# Altium PCB PCB.PcbDoc (part 1 of 2) (continued)
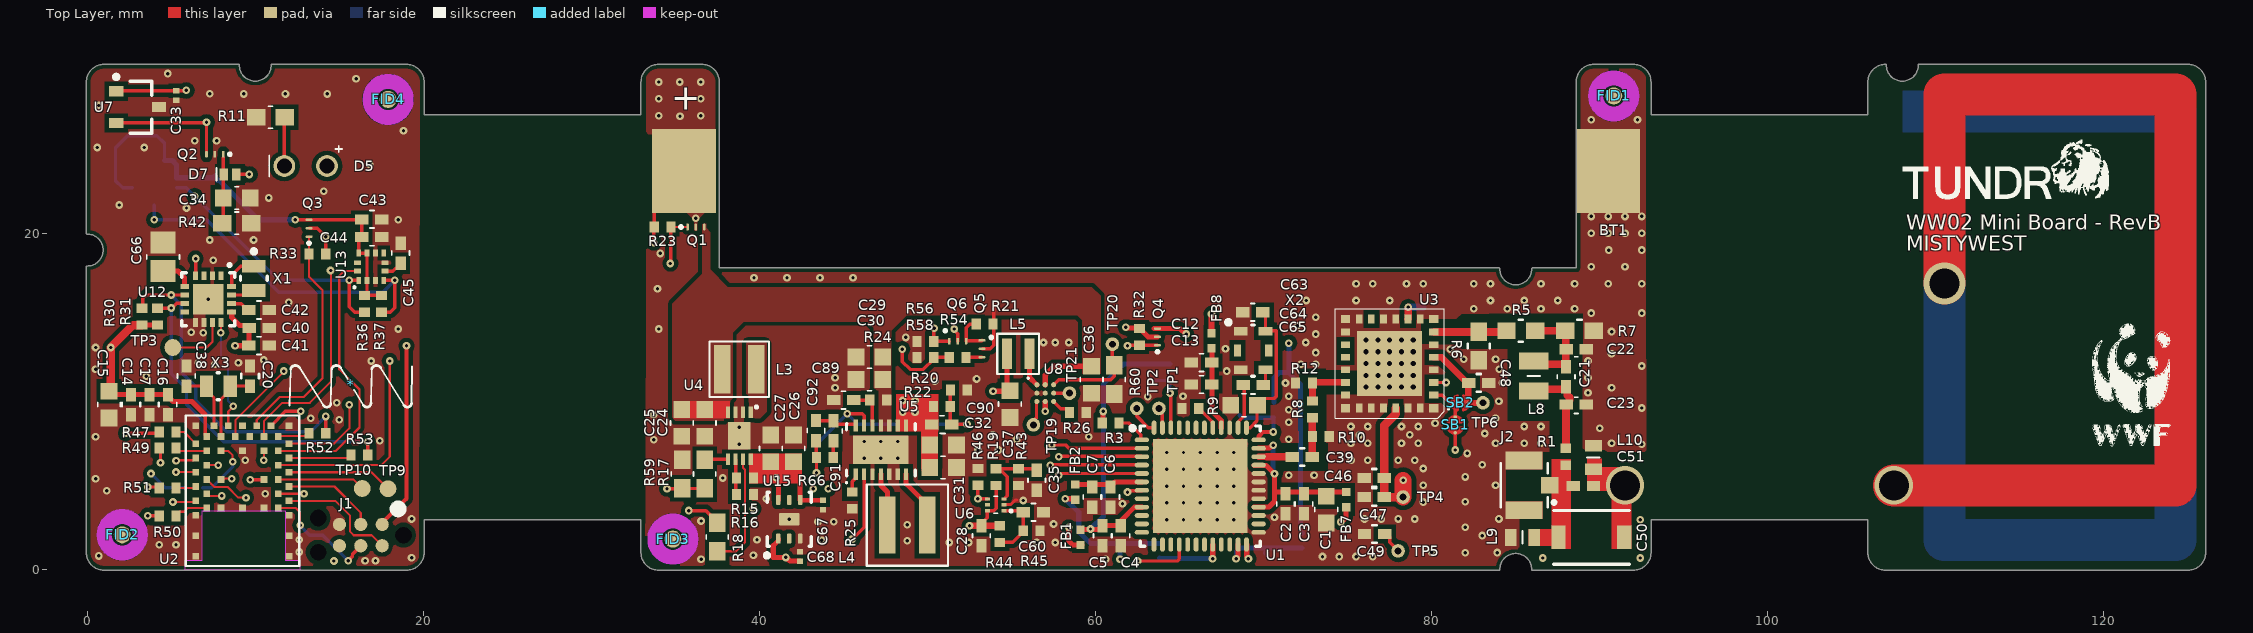
[diagram p0: Top Layer view]
## Components (designator, comment, footprint, x,y, rotation, side; value= is the part's Value field where it differs from the comment) (continued)
FID6 "FID_40mil" Fiducial_40mil 34.925,1.854 r90 bottom
FID7 "FID_40mil" Fiducial_40mil 2.057,2.032 r90 bottom
FID8 "FID_40mil" Fiducial_40mil 17.907,27.965 r90 bottom
J1 "TC2030" "TC2030 - No Clips" 17.551,2.673 r180 top
J2 "CONNECTOR COAX-M 2GND" con_hrs_U_FL-SMT 85.5,5 r270 top
J3 "CONNECTOR COAX-M 2GND" con_hrs_U_FL-SMT 81,15.6 r270 bottom
L3 "2.2uH 1.4A" XFL3012 38.8,11.9 r0 top
L4 "2.2u" XAL4020 48.797,2.63 r0 top
L5 "2.2uH" XPL2010 55.396,12.823 r180 top
L8 "15nH" LQW2BA 86.075,11.51 r270 top
L9 "6.8nH" 0603HP 85.4,1.904 r180 top
L10 "15nH" 0603HP 89.625,6.654 r90 top
Q1 "CSD23285F5T" 3-XFDFN 36.22,20.371 r90 top
Q2 "CSD17585F5T" 3-XFDFN 7.6,24.7 r270 top
Q3 "CSD23285F5T" 3-XFDFN 13.199,20.3 r180 top
Q4 "CSD23285F5T" 3-XFDFN 63.685,13.831 r180 top
Q5 "CSD23285F5T" 3-XFDFN 53.242,13.123 r0 top
Q6 "CSD17585F5T" 3-XFDFN 51.794,13.576 r90 top
R1 "0" RESC0402(1005)_N 87.975,6.7 r270 top
R2 "100k" RESC0402(1005)_N 63,11.2 r180 bottom
R3 "100k" RESC0402(1005)_N 60.9,8.7 r180 top
R5 "5.6" "Chip Res 1608_0603 MMC" 85.3,14.2 r0 top
R6 "910" "Chip Res 1608_0603 MMC" 82.8,13.3 r90 top
R7 "910" "Chip Res 1608_0603 MMC" 88.8,14.2 r180 top
R8 "0" RESC0402(1005)_N 72.9,9.525 r90 top
R9 "33k" RESC0402(1005)_N 65.64,9.564 r0 top
R10 "100k" RESC0402(1005)_N 73.4,7.919 r180 top
R11 "750R" "Chip Res 1608_0603 MMC" 10.9,26.9 r0 top
R12 "100k" RESC0402(1005)_N 72.4,11.1 r0 top
R15 "1M" RESC0402(1005)_N 39.141,5.436 r0 top
R16 "402k" RESC0402(1005)_N 39.141,4.445 r180 top
R17 "0R" "Chip Res 1608_0603 MMC" 36.745,5.663 r90 top
R18 "0R" "Chip Res 1608_0603 MMC" 37.49,1.93 r270 top
R19 "ERT-J0ER104HM" RESC0402(1005)_N 54.085,5.49 r90 top
R20 "1M" RESC0402(1005)_N 51.87,10.668 r180 top
R21 "3.6M" RESC0402(1005)_N 53.4,14.6 r180 top
R22 "1.74M" RESC0402(1005)_N 50.854,9.694 r180 top
R23 "3.6M" RESC0402(1005)_N 34.239,20.371 r180 top
R24 "1.3M" RESC0402(1005)_N 47.07,10.073 r0 top
R25 "32.4k" RESC0402(1005)_N 45.52,4.104 r90 top
R26 "20k" RESC0402(1005)_N 58.944,9.329 r180 top
R30 "4.7k" RESC0402(1005)_N 3.265,15.044 r270 top
R31 "4.7k" RESC0402(1005)_N 4.196,15.04 r270 top
R32 "3.6M" RESC0402(1005)_N 62.618,13.831 r270 top
R33 "3.6M" RESC0402(1005)_N 13.7,18.759 r180 top
R36 "4.7k" RESC0402(1005)_N 16.5,15.8 r90 top
R37 "4.7k" RESC0402(1005)_N 17.5,15.8 r90 top
R42 "4.7M" "Chip Res 1608_0603 MMC" 8.9,20.6 r180 top
R43 "3.3M" RESC0402(1005)_N 55.406,5.492 r90 top
R44 "3.3M" RESC0402(1005)_N 54.3,2.1 r90 top
R45 "3.3M" RESC0402(1005)_N 56.2,2.3 r180 top
R46 "5.1M" RESC0402(1005)_N 53,5.5 r270 top
R47 "0" RESC0402(1005)_N 4.783,8.173 r180 top
R48 "0" RESC0402(1005)_N 6.375,4.851 r180 bottom
R49 "0" RESC0402(1005)_N 4.783,7.233 r180 top
R50 "0" RESC0402(1005)_N 4.783,3.169 r0 top
R51 "0" RESC0402(1005)_N 4.783,4.845 r0 top
R52 "0" RESC0402(1005)_N 13.7,8.1 r0 top
R53 "0" RESC0402(1005)_N 16.2,6.8 r0 top
R54 "1M" RESC0402(1005)_N 51.794,12.613 r0 top
R56 "3.6M" RESC0402(1005)_N 49.872,13.555 r180 top
R58 "1M" RESC0402(1005)_N 49.871,12.613 r0 top
R59 "4.7M" "Chip Res 1608_0603 MMC" 35.409,5.664 r270 top
R60 "4.7M" "Chip Res 1608_0603 MMC" 61.111,11.285 r90 top
R66 "27.4k" RESC0402(1005)_N 43.895,6.657 r0 top
R67 "0402 - DNP" RESC0402(1005)_N 64.43,11.738 r90 bottom
SB1 "Solder Bridge Open - 50mil" Solder_Bridge_Open_50 81.4,8.6 r90 top net-tie
SB2 "Solder Bridge Closed - 50mil" Solder_Bridge_Closed_50 81.7,9.9 r180 top net-tie
TP1 "" Testpoint_16mil_32mil#1 63.769,9.576 r90 top
TP2 "" Testpoint_16mil_32mil#1 62.448,9.576 r90 top
TP3 "" TestPoint_1mm 5.1,13.2 r90 top
TP4 "" Testpoint_16mil_32mil#2 100.688,3.196 r90 top
TP5 "" Testpoint_16mil_32mil#1 78,1.1 r90 top
TP6 "" Testpoint_16mil_32mil#1 83.048,9.911 r90 top
TP9 "" TestPoint_1mm 17.9,4.8 r90 top
TP10 "" TestPoint_1mm 16.368,4.813 r90 top
TP19 "" Testpoint_16mil_32mil#1 56.3,8.6 r90 top
TP20 "" Testpoint_16mil_32mil#1 61,13.4 r90 top
TP21 "" Testpoint_16mil_32mil#1 58.444,10.485 r90 top
U1 "ARTIC" "QFN, 48-Lead" 66.229,4.954 r0 top
U2 "BMD-350-A-R" BMD-350 9.24,5.353 r180 top
U3 "RFFM6404" LGA28C100P8X8_600X600X105 77.498,12.246 r180 top
U4 "LTC3539EDCB#TRPBF" LT-DCB-8_V 38.803,7.953 r270 top
U5 "LTC3533EDE#TRPBF" LT-DE-14_V 47.228,7.11 r90 top
U6 "TLV3691IDPFR" "6-X2SON (1x1)" 54.06,3.84 r90 top
U7 "AH182-WG-7" DIOD-SC59-3_L 3,27.5 r0 top
U8 "ADP5301ACBZ-1-R7CT-ND" "9-Ball WLCSP" 57.005,10.485 r0 top
U11 "LPS33HWTR" PQFN60P330X330X290-11N_LPS33HWTR(Primary) 4,23 r180 bottom locked
U12 "AM0805AQ" AM0805AQ 7.202,16.075 r270 top
U13 "ISM303DACTR" BOSC-LGA-12_V 16.9,18 r90 top
U15 "LP5900SD-2.7/NOPB" NGF0006A_V 41.773,2.979 r90 top
X1 "ABS06-32.768KHZ-1-T" ABS06-32.768KHZ-1-T 9.92,17.319 r270 top
X2 "KT2520K26000AAW18TAS" KT2520 69.374,13.018 r270 top
X3 "ECS-.327-12.5-12R-C-TR" ECS-.327-12.5-12R-C-TR 7.8,10.9 r0 top

## Footprints (in the part's own frame and the unit in brackets; to place one, negate y for a bottom-side part, rotate by r counter-clockwise, add the part's x,y. Pads: shape width x height; smd on the part's side, far side on the other; paste and mask are expansions set on the pad)
3-XFDFN [mm] "CSD23285F5T - https://www.digikey.ca/product-detail/en/texas-instruments/CSD23285F5T/296-44809-1-ND/6204667"
  rrect50% 0.39x0.15 smd: 1(0,0.5) 2(0,0) 3(0,-0.5)
  silkscreen extent -0.04,0.85 0.04,0.93, body extent -0.39,-0.76 0.39,0.76, height 0.35
"6-X2SON (1x1)" [mm]
  rect 0.2x0.3 smd mask+0.048: 1(-0.35,-0.5) 2(0,-0.5) 3(0.35,-0.5) 4(0.35,0.5) 5(0,0.5) 6(-0.35,0.5)
  silkscreen extent -0.51,-0.94 0.51,0.13, body extent -0.5,-0.5 0.5,0.5, height 0.4
"9-Ball WLCSP" [mm] "BGA, 9-Balls, Body 1.65x1.87mm, Pitch 0.5mm"
  round 0.3 smd mask+0.051: A1(-0.5,0.5) A2(0,0.5) A3(0.5,0.5) B1(-0.5,0) B2(0,0) B3(0.5,0) C1(-0.5,-0.5) C2(0,-0.5) C3(0.5,-0.5)
  silkscreen extent -1.07,0.84 -0.97,0.94, body extent -0.84,-0.94 0.84,0.94, height 0.36
0603HP [mm] "0603HP (1608) Ceramic Chip Inductors (Coilcraft)"
  rect 0.69x1.02 smd: 1(-0.7,0) 2(0.7,0)
  silkscreen extent 0,-0.38 0,0.38, body extent -0.87,-0.54 0.88,0.55, height 0.93
ABS06-32.768KHZ-1-T [mm] "SMD, 2-Leads, Body 2x1.2mm"
  rect 0.75x1.4 smd: 1(-0.725,0) 2(0.725,0)
  silkscreen extent -1.73,-0.8 0.12,0.8, body extent -1.14,-0.64 1.14,0.63, height 0.6
AM0805AQ [mm] "QFN, 16-Leads, Body 3x3mm, Pitch 0.5mm, Thermal Pad 1.7x1.7mm"
  rect 0.52x0.3 smd mask+0.051: 1(-1.39,0.75) 2(-1.39,0.25) 3(-1.39,-0.25) 4(-1.39,-0.75) 9(1.39,-0.75) 10(1.39,-0.25) 11(1.39,0.25) 12(1.39,0.75)
  rect 0.3x0.52 smd mask+0.051: 5(-0.75,-1.39) 6(-0.25,-1.39) 7(0.25,-1.39) 8(0.75,-1.39) 13(0.75,1.39) 14(0.25,1.39) 15(-0.25,1.39) 16(-0.75,1.39)
  rect 1.8x1.8 smd mask+0.051: 17(0,0)
  silkscreen extent -2.11,-1.57 1.57,1.58, body extent -1.5,-1.5 1.5,1.5, height 0.8
BMD-350 [mm] "BMD-350, LGA, 47pin ,0.8mm Pitch, 8.65mm x 6.4mm"
  rect 0.4x0.4 smd mask+0.076: 1(-2.775,4.575) 2(-2.775,3.35) 3(-2.775,2.125) 4(-2.125,1.7) 5(-2.775,1.275) 6(-2.125,0.85) 7(-2.775,0.425) 8(-2.125,0) 9(-2.775,-0.425) 10(-2.125,-0.85) 11(-2.775,-1.275) 12(-2.125,-1.7) 13(-2.775,-2.125) 14(-2.125,-2.55) 15(-2.775,-3.2) 16(-1.7,-3.2) 17(-1.275,-2.55) 18(-0.85,-3.2) 19(-0.425,-2.55) 20(0,-3.2) 21(0.425,-2.55) 22(0.85,-3.2) 23(1.275,-2.55) 24(1.7,-3.2) 25(2.125,-2.55) 26(2.775,-3.2) 27(2.775,-2.125) 28(2.125,-1.7) 29(2.775,-1.275) 30(2.125,-0.85) 31(2.775,-0.425) 32(2.125,0) 33(2.775,0.425) 34(2.125,0.85) 35(2.775,1.275) 36(2.125,1.7) 37(2.775,2.125) 38(2.775,3.35) 39(2.775,4.575) 40(-1.275,1.7) 41(-1.275,0) 42(-1.275,-1.7) 43(0,-1.7) 44(1.275,-1.7) 45(1.275,0) 46(1.275,1.7) 47(0,1.7)
  Multi-Layer pour cut-out: -2.575,4.9 -2.575,1.9 2.425,1.9 2.425,4.9
  silkscreen extent -3.37,-3.8 3.37,5.15, body extent -3.2,-3.62 3.2,5.03, height 1.47
BOSC-LGA-12_V [mm] "LGA, 12-Leads, Body 2x2mm, Pitch 0.5mm"
  rect 0.41x0.28 smd mask+0.064: 1(-0.815,0.75) 2(-0.815,0.25) 3(-0.815,-0.25) 4(-0.815,-0.75) 7(0.815,-0.75) 8(0.815,-0.25) 9(0.815,0.25) 10(0.815,0.75)
  rect 0.28x0.41 smd mask+0.064: 5(-0.25,-0.815) 6(0.25,-0.815) 11(0.25,0.815) 12(-0.25,0.815)
  silkscreen extent -1.28,0.94 -1.16,1.06, body extent -1,-1 1,1, height 1
CAPC60X30X33L15N [mm] "Capacitor, Chip, Non-polarized: 0.60 mm L X 0.30 mm W X 0.33 mm H body (0201), IPC nominal material condition"
  rect 0.34x0.36 smd mask+0.051: 1(-0.28,0) 2(0.28,0)
  body extent -0.3,-0.15 0.3,0.15, height 0.33
CAPC1005N-0402 [mm] "Chip Capacitor, Body 1.0x0.5mm, IPC Medium Density"
  rect 0.8x0.6 smd: 1(-0.6,0) 2(0.6,0)
  silkscreen extent -0.13,-0.53 0.13,0.53, body extent -0.55,-0.3 0.55,0.3, height 0.6
CAPC1608N-0603 [mm] "Chip Capacitor, Body 1.6x0.8mm, IPC Medium Density"
  rect 1x1 smd: 1(-0.8,0) 2(0.8,0)
  silkscreen extent -0.13,-0.67 0.13,0.67, body extent -0.88,-0.48 0.87,0.47, height 0.85
CAPC2012N-0805 [mm] "Chip Capacitor, Body 2.0x1.3mm, IPC Medium Density"
  rect 1.3x1.5 smd: 1(-0.85,0) 2(0.85,0)
  silkscreen extent -0.13,-0.97 0.13,0.97, body extent -1.13,-0.73 1.12,0.7, height 1.1
CAPC4531X17N [mm] "Chip Capacitor, 2-Leads, Body 4.50x3.10mm, IPC Medium Density"
  rect 0.85x1.4 smd: 1(-1.95,0) 2(1.95,0)
  silkscreen extent -2.25,-1.6 2.25,1.6, body extent -2.35,-1.6 2.35,1.6, height 1.7
CDBQR0130L [mm] "DIODE SCHOTTKY 30V 100MA 0402"
  rect 0.5x0.7 smd mask+0.089: 1(-0.375,0) 2(0.375,0)
  silkscreen extent 0.81,-0.38 0.81,0.38, body extent -0.52,-0.27 0.53,0.28, height 0.4
"Chip Res 1608_0603 MMC" [mm] "Chip Res Max 0603"
  rect 1.1x1 smd: 1(-0.85,0) 2(0.85,0)
  silkscreen extent -0.13,-0.66 0.13,0.66, body extent -0.85,-0.48 0.85,0.47, height 0.6
con_hrs_U_FL-SMT [mm] "con_hrs_U_FL-SMT"
  rect 1x1.05 smd mask+0.1: 1(0,1.525)
  rect 1.05x2.2 smd mask+0.1: 2(-1.475,0)
  rect 1.05x2.2 smd: 3(1.475,0)
  silkscreen extent -1.3,-1.4 1.3,1.88, body extent -1.5,-1.55 1.5,1.55, height 1.25
DIOD-SC59-3_L [mm] "SOT23, 3-Leads, Body 3.1x1.7mm, Pitch 0.95mm, IPC High Density"
  rect 0.85x0.6 smd: 1(-1.275,0.95) 2(1.275,0) 3(-1.275,-0.95)
  silkscreen extent -1.4,-1.55 0.85,1.92, body extent -1.5,-1.55 1.5,1.55, height 1.36
ECS-.327-12.5-12R-C-TR [mm] "SMD, 2-Leads, Body 2x1.2mm"
  rect 0.8x1.3 smd: 1(-0.7,0) 2(0.7,0)
  silkscreen extent -0.05,-0.8 0.05,0.8, body extent -1,-0.6 1,0.6, height 0.6
Fiducial_40mil [mil] "Fiducial for vision systems 40mil"
  round 40 smd paste-40 mask+39.37: ""(0,0)
  Top Layer keep-out circle w35: c0,0 r42.5
KT2520 [mm] "Kyocera International Inc. Electronic Components - XTAL OSC"
  rect 0.5x0.825 smd: 1(-1.15,-0.737) 3(1.15,-0.737) 4(1.15,0.737) 6(-1.15,0.737)
  rect 0.7x0.43 smd: 2(0,-0.935) 5(0,0.935)
  silkscreen extent -1.81,-1.6 1.52,0.08, body extent -1.25,-1 1.25,1, height 0.8
LGA28C100P8X8_600X600X105 [mm] "LGA, 28-Leads, Body 6.00x6.00mmx1.05mm, Pitch 1.00mm"
  rect 0.55x0.5 smd paste-0.02 mask+0.08: 1(-2.625,2.65) 8(-2.625,-2.65) 15(2.625,-2.65) 22(2.625,2.65)
  rect 0.55x0.4 smd paste-0.02 mask+0.08: 2(-2.625,1.875) 3(-2.625,1.125) 4(-2.625,0.375) 5(-2.625,-0.375) 6(-2.625,-1.125) 7(-2.625,-1.875) 16(2.625,-1.875) 17(2.625,-1.125) 18(2.625,-0.375) 19(2.625,0.375) 20(2.625,1.125) 21(2.625,1.875)
  rect 0.4x0.55 smd paste-0.02 mask+0.08: 9(-1.813,-2.65) 10(-1.088,-2.65) 11(-0.363,-2.65) 12(0.363,-2.65) 13(1.088,-2.65) 14(1.813,-2.65) 23(1.813,2.65) 24(1.088,2.65) 25(0.363,2.65) 26(-0.363,2.65) 27(-1.088,2.65) 28(-1.813,2.65)
  rect 3.875x3.875 smd mask+0.08: 29(0,0)
  silkscreen extent -3.55,-3.25 3.25,3.25, body extent -3,-3.02 3,3.02, height 1.05
LQW2BA [mm] "0805 (2015) Ceramic Chip Inductors (MuRata LQW2BAN)"
  rect 1.02x1.76 smd: 1(-0.89,0) 2(0.89,0)
  silkscreen extent 0,-0.38 0,0.38, body extent -1.04,-0.76 1.05,0.76, height 1.52
LT-DCB-8_V [mm] "SON, 8-Leads, Body 3x2mm, Pitch 0.45mm, Thermal Pad 1.65x1.35mm"
  rect 0.7x0.25 smd mask+0.051: 1(-1.4,0.675) 2(-1.4,0.225) 3(-1.4,-0.225) 4(-1.4,-0.675) 5(1.4,-0.675) 6(1.4,-0.225) 7(1.4,0.225) 8(1.4,0.675)
  rect 1.65x1.35 smd mask+0.102: 9(0,0)
  silkscreen extent -1.78,0.94 -1.63,1.09, body extent -1.5,-1 1.5,1, height 0.8
LT-DE-14_V [mm] "SON, 14-Leads, Body 4x3mm, Pitch 0.5mm, Thermal Pad 3.3x1.7mm"
  rect 0.7x0.25 smd mask+0.076: 1(-1.45,1.5) 2(-1.45,1) 3(-1.45,0.5) 4(-1.45,0) 5(-1.45,-0.5) 6(-1.45,-1) 7(-1.45,-1.5) 8(1.45,-1.5) 9(1.45,-1) 10(1.45,-0.5) 11(1.45,0) 12(1.45,0.5) 13(1.45,1) 14(1.45,1.5)
  rect 1.7x3.3 smd mask+0.076: 15(0,0)
  silkscreen extent -2,-2.05 1.55,2.1, body extent -1.5,-2 1.5,2, height 0.8
MURA-BLM15-CHIP-2_V [mm] "Chip Ferrite Bead, 2-Leads, Body 1x0.5mm"
  rect 0.5x0.5 smd: 1(-0.45,0) 2(0.45,0)
  body extent -0.52,-0.28 0.53,0.28, height 0.55
MW_Logo_New_Small [mm]
  silkscreen extent -3.63,-1.13 3.66,1.35
NGF0006A_V [mm] "SON, 6-Leads, Body 2.2x2.5mm, Pitch 0.65mm, NSC Recommended (SC-70 Land)"
  rrect40% 0.6x0.25 smd: 1(-1.15,0.65) 2(-1.15,0) 3(-1.15,-0.65) 4(1.15,-0.65) 5(1.15,0) 6(1.15,0.65)
  rrect13% 0.75x1.2 smd: 7(0,0)
  silkscreen extent -2.27,-1.3 1.6,1.45, body extent -1.3,-1.15 1.3,1.15, height 0.8
PQFN60P330X330X290-11N_LPS33HWTR(Primary) [mm] "Pressure Sensor 3.77 PSI ~ 18.27 PSI (26 kPa ~ 126 kPa) Absolute 24 b LGA"
  rect 0.63x0.45 smd mask+0.03: 1(-1.32,0.3) 2(-1.32,-0.3) 6(1.32,-0.3) 7(1.32,0.3)
  rect 0.45x0.63 smd mask+0.03: 3(-0.6,-1.32) 4(0,-1.32) 5(0.6,-1.32) 8(0.6,1.32) 9(0,1.32) 10(-0.6,1.32)
  rect 1.2x1.2 smd mask+0.051: 11(0,0)
  silkscreen extent -2.05,-1.73 1.73,1.73, body extent -1.65,-1.65 1.65,1.65, height 2.9
"QFN, 48-Lead" [mm] "QFN, 48-Leads, Body 7x7mm, Pitch 0.5mm, Thermal Pad 5.6x5.6mm"
  oval 0.85x0.28 smd mask+0.051: 1(-3.475,2.75) 2(-3.475,2.25) 3(-3.475,1.75) 4(-3.475,1.25) 5(-3.475,0.75) 6(-3.475,0.25) 7(-3.475,-0.25) 8(-3.475,-0.75) 9(-3.475,-1.25) 10(-3.475,-1.75) 11(-3.475,-2.25) 12(-3.475,-2.75) 25(3.475,-2.75) 26(3.475,-2.25) 27(3.475,-1.75) 28(3.475,-1.25) 29(3.475,-0.75) 30(3.475,-0.25) 31(3.475,0.25) 32(3.475,0.75) 33(3.475,1.25) 34(3.475,1.75) 35(3.475,2.25) 36(3.475,2.75)
  oval 0.28x0.85 smd mask+0.051: 13(-2.75,-3.475) 14(-2.25,-3.475) 15(-1.75,-3.475) 16(-1.25,-3.475) 17(-0.75,-3.475) 18(-0.25,-3.475) 19(0.25,-3.475) 20(0.75,-3.475) 21(1.25,-3.475) 22(1.75,-3.475) 23(2.25,-3.475) 24(2.75,-3.475) 37(2.75,3.475) 38(2.25,3.475) 39(1.75,3.475) 40(1.25,3.475) 41(0.75,3.475) 42(0.25,3.475) 43(-0.25,3.475) 44(-0.75,3.475) 45(-1.25,3.475) 46(-1.75,3.475) 47(-2.25,3.475) 48(-2.75,3.475)
  rect 5.6x5.6 smd mask+0.051: 49(0,0)
  silkscreen extent -4.15,-3.58 3.58,3.57, body extent -3.5,-3.5 3.5,3.5, height 1
RESC0402(1005)_N [mm] "Chip Resistor, Body 1.0x0.5mm, IPC Medium Density"
  rect 0.55x0.65 smd: 1(-0.5,0) 2(0.5,0)
  body extent -0.52,-0.27 0.53,0.28, height 0.4
Solder_Bridge_Closed_50 [mil] "Closed Solder Bridge in 50mil Space Contrant"
  round 8 smd paste-393.7 mask+0: 1(18.3,0) 2(-18.3,0)
  Top Layer region: 4.02,17.01 7,19.9 11.66,18.39 14.2,16.7 17.1,13.8 19.2,11.5 21.5,7.6 22.6,3.9 22.4,-4.8 21.4,-7.6 18.1,-13 14.8,-16.2 11.19,-18.46 7.2,-19.7 5.2,-19 4.02,-16.93
  Top Layer region: -4.02,-17.01 -7,-19.9 -11.66,-18.39 -14.2,-16.7 -17.1,-13.8 -19.2,-11.5 -21.5,-7.6 -22.6,-3.9 -22.4,4.8 -21.4,7.6 -18.1,13 -14.8,16.2 -11.19,18.46 -7.2,19.7 -5.2,19 -4.02,16.93
  Top Layer lines w6: 7.02,16.95 cw(c2.67,0) 7.02,-16.95 ; -7.02,16.95 ccw(c-2.67,0) -7.02,-16.95
  Top Layer lines w8: 13.3,0 -13.3,0
Solder_Bridge_Open_50 [mm] "Open Solder Bridge in 50mil Space Contrant"
  round 0.2 smd paste-10 mask+0: 1(0.465,0) 2(-0.465,0)
  Top Layer region: -0.102,-0.432 -0.178,-0.505 -0.296,-0.467 -0.361,-0.424 -0.434,-0.351 -0.488,-0.292 -0.546,-0.193 -0.574,-0.099 -0.569,0.122 -0.544,0.193 -0.46,0.33 -0.376,0.411 -0.284,0.469 -0.183,0.5 -0.132,0.483 -0.102,0.43
  Top Layer region: 0.102,0.432 0.178,0.505 0.296,0.467 0.361,0.424 0.434,0.351 0.488,0.292 0.546,0.193 0.574,0.099 0.569,-0.122 0.544,-0.193 0.46,-0.33 0.376,-0.411 0.284,-0.469 0.183,-0.5 0.132,-0.483 0.102,-0.43
  Top Layer lines w0.152: -0.178,0.431 ccw(c-0.068,0) -0.178,-0.431 ; 0.178,0.431 cw(c0.068,0) 0.178,-0.431
"T-1 (3mm)" [mm] "Flush to PCB. WP710A10LSECK/J3"
  round 1.3 hole 0.9: 1(-1.27,0) 2(1.27,0)
  silkscreen extent -2.16,-1.21 2.16,0.64, body extent -1.49,-1.5 1.5,1.5, height 5.6
"TC2030 - No Clips" [mil] "The TC2030-IDC-NL is our \"No Legs\" 6-pin Plug-of-Nailstm Cable fitted with a 6-pin 0.1\" pitch ribbon connector."
  round 30.98 hole 39.02 paste-3897.64: 0(-50,25) 0(150,-15) 0(150,65)
  round 30.98 smd paste-3897.64: 1(0,0) 2(50,0) 3(100,0) 4(100,50) 5(50,50) 6(0,50)
  silkscreen extent -47,-46 -28,-27
TestPoint_1mm [mm] "1.0 mm Test Point"
  round 1 smd paste-10: TP(0,0)
Testpoint_16mil_32mil#1 [mil] "Test point, 16mil hole, 32 mil pad"
  round 32 hole 16: TP(0,0)
Testpoint_16mil_32mil#2 [mil] "Test point, 16mil hole, 32 mil pad"
  round 32 hole 16: TP(43.62,881.42)
TLP-96311/A/ST [mm] "Tadiran Lithium Battery"
  rect 3.81x5 smd: 1(-27.5,0) 2(27.5,0)
  body extent -25,-8.25 25,8.25, height 14.25
XAL4020 [mm]
  rect 0.98x3.4 smd: 1(-1.185,0) 2(1.185,0)
  silkscreen extent -2.41,-2.41 2.41,2.41, body extent -2.14,-2.16 2.16,2.14, height 2.13
XFL3012 [mm] "XFL3012 Series Ultra-Low DCR Shielded Power Inductors"
  rect 1x2.9 smd: 1(-1.015,0) 2(1.015,0)
  silkscreen extent -1.78,-1.65 1.78,1.65, body extent -1.6,-1.6 1.6,1.6, height 1.25
XPL2010 [mm] "Coilcraft XPL2010 2mmX1.9mmX1mm Inductor Family"
  rect 0.6x1.8 smd: 1(-0.675,0) 2(0.675,0)
  silkscreen extent -1.24,-1.19 1.24,1.19, body extent -1.04,-1.11 1.06,1.09, height 0.98

## Part data
*: library part CMP-ROOT-0045-1, "New MW Logo"
BT1: library part CMP-04553-1, Manufacturer=Tadiran, Manufacturer Part Number=TLP-96311/A/ST
C1: library part CMP-03705-2, "CAP CER 22UF 6.3V X5R 0603 ±10%", Manufacturer="Samsung Electro-Mechanics America, Inc.", Manufacturer Part Number=CL10A226KQ8NRNE, Temperature Coefficient=X5R, Tolerance=±10%, Voltage=6.3V, Capacitance=22µF
C2 C14 C18 C40 C43 C46 C47: library part CMP-02706-4, "CAP CER 1UF 6.3V X7R 0402 ±10%", Manufacturer="Samsung Electro-Mechanics America, Inc.", Manufacturer Part Number=CL05B105KQ5NQNC, Temperature Coefficient=X7R, Tolerance=±10%, Voltage=6.3V, AccessRights=2147483647, AncestorItemRevisionGUID=FD93AFD0-5032-408C-A550-1F4FCEC40B04, Capacitance=1µF, ComponentType=Capacitor, ContentType=Component, ContentTypeGUID=CB3C11C4-E317-11DF-B822-12313F0024A2, Folder="MW_Parts\Components\Capacitors\Ceramic\Ceramic Filters\0402\X7R\", FolderGUID=EC3CA227-945F-4B62-A70C-0C1E94DF012A, ItemGUID=5B2E3594-B687-4FDE-A8F8-DCF9F15A9421, ItemHRID=CMP-02706, LifeCycle=Draft, LifeCycleStateGUID=706004B5-C76E-482E-903B-BA0E4FAE086A, ReleaseDate="21/08/2017 11:02:52 PM", RevisionId=2
C3 C4 C6 C8 C10 C12 C15 C16 C19 C28 C41 C44 C61: library part CMP-02680-4, "CAP CER 0.1UF 10V X7R 0402 ±5%", Manufacturer="Samsung Electro-Mechanics America, Inc.", Manufacturer Part Number=CL05B104JP5NNNC, Temperature Coefficient=X7R, Tolerance=±5%, Voltage=10V, AccessRights=2147483647, AncestorItemRevisionGUID=B5B9AEA9-2888-4609-98C5-D2A143A2E055, Capacitance=100nF, ComponentType=Capacitor, ContentType=Component, ContentTypeGUID=CB3C11C4-E317-11DF-B822-12313F0024A2, Folder="MW_Parts\Components\Capacitors\Ceramic\Ceramic Filters\0402\X7R\", FolderGUID=EC3CA227-945F-4B62-A70C-0C1E94DF012A, ItemGUID=98D0CBC0-CD69-4B1B-A7E9-949A7B6C034B, ItemHRID=CMP-02680, LifeCycle=Draft, LifeCycleStateGUID=706004B5-C76E-482E-903B-BA0E4FAE086A, ReleaseDate="21/08/2017 11:02:50 PM", RevisionId=2
C5 C7 C9 C11 C13 C62: library part CMP-02804-2, "CAP CER 22PF 50V C0G/NP0 0402 ±5%", Manufacturer="Samsung Electro-Mechanics America, Inc.", Manufacturer Part Number=CL05C220JB5NNNC, Temperature Coefficient="C0G, NP0", Tolerance=±5%, Voltage=50V, Capacitance=22pF
C17 C25 C26 C27 C30 C31 C32: library part CMP-03705-2, "CAP CER 22UF 6.3V X5R 0603 ±10%", Capacitance=22µF, Manufacturer="Samsung Electro-Mechanics America, Inc.", Manufacturer Part Number=CL10A226KQ8NRNE, Temperature Coefficient=X5R, Tolerance=±10%, Voltage=6.3V
C20 C38: library part CMP-02801-2, "CAP CER 20PF 50V C0G/NP0 0402 ±5%", Manufacturer="Samsung Electro-Mechanics America, Inc.", Manufacturer Part Number=CL05C200JB5NNNC, Temperature Coefficient="C0G, NP0", Tolerance=±5%, Voltage=50V, Capacitance=20pF
C21: library part CMP-02769-2, "CAP CER 1.8PF 50V C0G/NP0 0402 ±0.25pF", Manufacturer="Samsung Electro-Mechanics America, Inc.", Manufacturer Part Number=CL05C1R8CB5NNNC, Temperature Coefficient="C0G, NP0", Tolerance=±0.25pF, Voltage=50V, Capacitance=1.8pF
C22 C23: library part CMP-02776-2, "CAP CER 10PF 50V C0G/NP0 0402 ±0.25pF", Manufacturer="Samsung Electro-Mechanics America, Inc.", Manufacturer Part Number=CL05C100CB5NNNC, Temperature Coefficient="C0G, NP0", Tolerance=±0.25pF, Voltage=50V, Capacitance=10pF
C24 C29 C34: library part CMP-00020-6, "CAP CER 2.2uF 6.3V X7R 0603 ±10%", Capacitance=2.2µF, Manufacturer="Samsung Electro-Mechanics America, Inc.", Manufacturer Part Number=CL10B225KQ8NNNC, Temperature Coefficient=X7R, Tolerance=±10%, Voltage=6.3V, AccessRights=2147483647, AncestorItemRevisionGUID=FD4A8CC3-31FA-4A66-9712-160D8DBE6555, ComponentType=Capacitor, ContentType=Component, ContentTypeGUID=CB3C11C4-E317-11DF-B822-12313F0024A2, Folder="MW_Parts\Components\Capacitors\Ceramic\Ceramic Filters\0603\X7R\", FolderGUID=A577C078-63D7-4DB2-AF73-306BC16B6D3B, ItemGUID=925A68DB-E8AB-4695-A8C2-CD495729C191, ItemHRID=CMP-00020, LifeCycle=Draft, LifeCycleStateGUID=706004B5-C76E-482E-903B-BA0E4FAE086A, ReleaseDate="10/08/2017 12:10:01 AM", RevisionId=4
C33: library part CMP-02936-1, "CAP CER 15nF 6.3V X5R 0201 ±10%", Manufacturer="Samsung Electro-Mechanics America, Inc.", Manufacturer Part Number=CL03A153KQ3NNNC, Temperature Coefficient=X5R, Tolerance=±10%, Voltage=6.3V, Capacitance=15nF
C35 C60: library part CMP-02777-2, "CAP CER 10PF 50V C0G/NP0 0402 ±0.5pF", Manufacturer="Samsung Electro-Mechanics America, Inc.", Manufacturer Part Number=CL05C100DB5NNNC, Temperature Coefficient="C0G, NP0", Tolerance=±0.5pF, Voltage=50V, Capacitance=10pF
C36 C37: library part CMP-03702-2, "CAP CER 10UF 6.3V X5R 0603 ±10%", Capacitance=10µF, Manufacturer="Samsung Electro-Mechanics America, Inc.", Manufacturer Part Number=CL10A106KQ8NNNC, Temperature Coefficient=X5R, Tolerance=±10%, Voltage=6.3V
C39 C49: library part CMP-02879-2, "CAP CER 100PF 50V C0G/NP0 0402 ±5% AEC-Q200", Manufacturer="Samsung Electro-Mechanics America, Inc.", Manufacturer Part Number=CL05C101JB51PNC, Temperature Coefficient="C0G, NP0", Tolerance=±5%, Voltage=50V, Capacitance=100pF
C42: library part CMP-02832-2, "CAP CER 47PF 50V C0G/NP0 0402 ±5%", Manufacturer="Samsung Electro-Mechanics America, Inc.", Manufacturer Part Number=CL05C470JB5NNNC, Temperature Coefficient="C0G, NP0", Tolerance=±5%, Voltage=50V, Capacitance=47pF
C45 C48: library part CMP-02685-4, "CAP CER 0.22UF 10V X7R 0402 ±10%", Manufacturer="Samsung Electro-Mechanics America, Inc.", Manufacturer Part Number=CL05B224KP5NNNC, Temperature Coefficient=X7R, Tolerance=±10%, Voltage=10V, AccessRights=2147483647, AncestorItemRevisionGUID=19ED1FDF-9501-448A-B921-9E0B872992DD, Capacitance=220nF, ComponentType=Capacitor, ContentType=Component, ContentTypeGUID=CB3C11C4-E317-11DF-B822-12313F0024A2, Folder="MW_Parts\Components\Capacitors\Ceramic\Ceramic Filters\0402\X7R\", FolderGUID=EC3CA227-945F-4B62-A70C-0C1E94DF012A, ItemGUID=F74CCC9D-90D1-403A-981F-F79E304EBD0F, ItemHRID=CMP-02685, LifeCycle=Draft, LifeCycleStateGUID=706004B5-C76E-482E-903B-BA0E4FAE086A, ReleaseDate="21/08/2017 11:02:36 PM", RevisionId=2
C50: library part CMP-04735-1, "CAP TRIMMER 5.5-30PF 125V SMD", Capacitance=30pF, Manufacturer="Knowles Voltronics", Manufacturer Part Number=JR300, Max Operating Temperature=85°C, Min Operating Temperature=-40°C, Package Quantity=1000, Resistor Type=Ceramic, Temperature Coefficient="-1500 +/- 1000", Test Frequency=1MHz, Tolerance="+ 100% - 0%", Voltage=125V, Voltage Rating=100V, Height=0.045inch, Length=0.138inch, Packaging="Tape and Reel", Q Factor=1500, Termination=SMD/SMT, Voltage Rating (DC)=100V, Width=0.122inch
C51: library part CMP-02818-2, "CAP CER 33PF 50V C0G/NP0 0402 ±5%", Manufacturer="Samsung Electro-Mechanics America, Inc.", Manufacturer Part Number=CL05C330JB5NNNC, Temperature Coefficient="C0G, NP0", Tolerance=±5%, Voltage=50V, Capacitance=33pF
C63 C64 C89: library part CMP-02688-4, "CAP CER 10000PF 10V X7R 0402 ±10%", Manufacturer="Samsung Electro-Mechanics America, Inc.", Manufacturer Part Number=CL05B103KP5NNNC, Temperature Coefficient=X7R, Tolerance=±10%, Voltage=10V, AccessRights=2147483647, AncestorItemRevisionGUID=FBEF5854-9E39-482B-85E2-851CE328D631, Capacitance=10nF, ComponentType=Capacitor, ContentType=Component, ContentTypeGUID=CB3C11C4-E317-11DF-B822-12313F0024A2, Folder="MW_Parts\Components\Capacitors\Ceramic\Ceramic Filters\0402\X7R\", FolderGUID=EC3CA227-945F-4B62-A70C-0C1E94DF012A, ItemGUID=32F95929-C4EE-43CA-91BC-E7F6B815331F, ItemHRID=CMP-02688, LifeCycle=Draft, LifeCycleStateGUID=706004B5-C76E-482E-903B-BA0E4FAE086A, ReleaseDate="21/08/2017 11:02:51 PM", RevisionId=2
C65: library part CMP-00018-5, "CAP CER 1.0uF 6.3V X7R 0603 ±10%", Capacitance=1µF, Manufacturer="Samsung Electro-Mechanics America, Inc.", Manufacturer Part Number=CL10B105KQ8NNN, Temperature Coefficient=X7R, Tolerance=±10%, Voltage=6.3V
C66: library part CMP-02008-1, "CAP CER 47UF 6.3V X5R 0805 ±20%", Manufacturer="Samsung Electro-Mechanics America, Inc.", Manufacturer Part Number=CL21A476MQCLRNC, Temperature Coefficient=X5R, Tolerance=±20%, Voltage=6.3V, Capacitance=47µF
C67 C68: library part CMP-02944-1, "CAP CER 470nF 6.3V X5R 0201 ±10%", Manufacturer="Samsung Electro-Mechanics America, Inc.", Manufacturer Part Number=CL03A474KQ3NNNC, Temperature Coefficient=X5R, Tolerance=±10%, Voltage=6.3V, Capacitance=470nF
C90: library part CMP-02901-2, "CAP CER 47PF 50V C0G/NP0 0402 ±5% AEC-Q200", Manufacturer="Samsung Electro-Mechanics America, Inc.", Manufacturer Part Number=CL05C470JB51PNC, Temperature Coefficient="C0G, NP0", Tolerance=±5%, Voltage=50V, Capacitance=47pF
C91: library part CMP-02855-2, "CAP CER 680PF 50V C0G/NP0 0402 ±5%", Manufacturer="Samsung Electro-Mechanics America, Inc.", Manufacturer Part Number=CL05C681JB5NNNC, Temperature Coefficient="C0G, NP0", Tolerance=±5%, Voltage=50V, Capacitance=680pF
C92: library part CMP-02852-2, "CAP CER 6.8PF 50V C0G/NP0 0402 ±0.25pF", Manufacturer="Samsung Electro-Mechanics America, Inc.", Manufacturer Part Number=CL05C6R8CB5NNNC, Temperature Coefficient="C0G, NP0", Tolerance=±0.25pF, Voltage=50V, Capacitance=6.8pF
D5: library part CMP-04118-1, "Red 625nm LED Indication - Discrete 1.8V Radial", Color=Red, Current - Test=2mA, Manufacturer=Kingbright, Millicandela Rating=320mcd, Voltage - Forward (Vf) (Typ)=1.8V, Manufacturer Part Number=WP710A10LSECK/J3, Viewing Angle=34°, Wavelength - Dominant=625nm
D7: library part CMP-04108-1, "Diode Schottky 30V 100mA Surface Mount 0402/SOD-923F", Current - Average Rectified=100mA, Manufacturer="Comchip Technology", Voltage - DC Reverse=30V, Voltage - Forward (Vf)=350mV, Manufacturer Part Number=CDBQR0130L
FB1 FB2 FB4 FB7 FB8 FB9 FB10: library part CMP-04113-4, "Chip Ferrite Bead for General Use, 220 Ohm, 450 mA, -55 to 125 degC, 1 x 0.5 x 0.55 mm SMD, Tape and Reel", Manufacturer=Murata, Manufacturer Part Number=BLM15AG221SN1D
FID1 FID2 FID3 FID4 FID5 FID6 FID7 FID8: library part CMP-ROOT-0012-6, "40mil Fid with full top keepout"
J1: library part CMP-003-0005-4, "The TC2050-CTX and TC2030-CTL-NL are Plug-of-Nails™ Spring-Pin cables intended for ARM CORTEX SWD (Single", Manufacturer="Tag Connect", Manufacturer Part Number=TC2030
J2 J3: library part CMP-008-0021-3, "CONN RECPT ULTRA-MINI COAX SMD", Case/Package=SMD/SMT, Dielectric Material=Polymer, Frequency=6GHz, Housing Color=Beige, Manufacturer=HIROSE, Manufacturer Part Number=U.FL-R-SMT(10), Max Operating Temperature=90°C, Min Operating Temperature=-40°C, Package Quantity=1, source_package=U_FL, Body Material=Bronze, Body Plating=Silver, Component Name="CONNECTOR COAX-M 2GND", Connector Type="Coaxial,Receptacle,Male Pin", Contact Material=Brass, Contact Plating=Gold, Depth=3.1mm, dist=DIGIKEY, dist_pn=H9161CT-ND, Fastening Type=Snap, Height=1.25MM, Impedance=50R, Lead Free="Lead Free", Length=3mm, Max Frequency=6GHz, mfg=HIROSE, mfg_pn=U.FL-R-SMT(10), Mount="Surface Mount", Orientation=Vertical, Packaging="Tape and Reel", part_type=connector, Plating=Silver, positions=1, Radiation Hardening=No, status=Unknown, Termination=Solder
L3: library part CMP-04184-2, "XFL3012-222ME_", Current Rating=1.4A, DC Resistance=0.081, Inductance=2.2µH, Manufacturer=CoilCraft, Manufacturer Part Number=XFL3012-222ME_
L4: library part CMP-ROOT-0005-7, "XAL4020-222ME", Current Rating=4A, DC Resistance=0.0352, Inductance=2.2µH, Manufacturer=CoilCraft, Manufacturer Part Number=XAL4020-222ME
L5: library part CMP-01885-1, "XPL2010-222ML", Current Rating=1.2A, DC Resistance=1.56d, Inductance=2.2µH, Manufacturer=CoilCraft, Manufacturer Part Number=XPL2010-222ML
L8: library part CMP-04583-1, "FIXED IND 15NH 1.5A 120 MOHM", Current Rating=1.5A, DC Resistance=0.12, Manufacturer=MuRata, Manufacturer Part Number=LQW2BAN15NG00L, Inductance=15nH
L9: library part CMP-04144-2, "0603HP-6N8X_E_", Current Rating=1.2A, DC Resistance=78m, Manufacturer=Coilcraft, Manufacturer Part Number=0603HP-15NX_E_, Inductance=6.8nH
L10: library part CMP-04144-2, "0603HP-15NX_E_", Current Rating=1.2A, DC Resistance=78m, Manufacturer=Coilcraft, Inductance=15nH, Manufacturer Part Number=0603HP-15NX_E_
Q1 Q3 Q4 Q5: library part CMP-04199-1, "P-Channel 12V 5.4A (Ta) 500mW (Ta) Surface Mount 3-PICOSTAR", Manufacturer="Texas Instruments", Power - Max="500mW (Ta)", Ciss="628pF @ 6V", Id (25C)=4.5A, Manufacturer Part Number=CSD23285F5T, Rds On=34mOhm, Vdss=12V
Q2 Q6: library part CMP-04200-1, "N-Channel 30V 5.9A (Ta) 500mW (Ta) Surface Mount 3-PICOSTAR", Manufacturer="Texas Instruments", Power - Max="500mW (Ta)", Ciss="380pF @ 15V", Id (25C)="27 mOhm", Manufacturer Part Number=CSD17585F5T, Rds On=27mOhm, Vdss=30V
R1 R8 R47 R48 R49 R50 R51 R52 R53: library part CMP-02011-4, "RES SMD 0.0OHM JUMPER 1/16W 0402", Manufacturer=Yageo, Manufacturer Part Number=RC0402JR-070RL, Power=1/16, AccessRights=2147483647, ComponentType=Resistor, ContentType=Component, ContentTypeGUID=CB3C11C4-E317-11DF-B822-12313F0024A2, Folder=MW_Parts\Components\Resistors\0402\, FolderGUID=FF00D775-EA76-40F5-8F49-C5946BC46B28, ItemGUID=EB0E4010-FD26-4F9E-B9EF-C7D1A7F136A7, ItemHRID=CMP-02011, LifeCycle=Draft, LifeCycleStateGUID=706004B5-C76E-482E-903B-BA0E4FAE086A, ReleaseDate="16/08/2017 05:04:55 PM", Resistance=0, RevisionId=3
R2 R3 R10 R12: library part CMP-00156-2, "RES SMD 100K OHM 1% 1/10W 0402", Manufacturer="Panasonic Electronic Components", Manufacturer Part Number=ERJ-2RKF1003X, Power="0.1W, 1/10W", Tolerance=±1%, AccessRights=2147483647, ComponentType=Resistor, ContentType=Component, ContentTypeGUID=CB3C11C4-E317-11DF-B822-12313F0024A2, Folder=MW_Parts\Components\Resistors\0402\, FolderGUID=FF00D775-EA76-40F5-8F49-C5946BC46B28, ItemGUID=08BEA0BF-03A0-4565-A69F-37255C0633B6, ItemHRID=CMP-00156, LifeCycle=Draft, LifeCycleStateGUID=706004B5-C76E-482E-903B-BA0E4FAE086A, ReleaseDate="14/08/2017 09:06:11 PM", Resistance=100k, RevisionId=1
R5: library part CMP-04727-1, "RES SMD 5.6 OHM 1% 1/4W 0603", Case Code (Imperial)=0603, Case Code (Metric)=1608, Manufacturer=Panasonic, Manufacturer Part Number=ERJ-3BQF5R6V, Max Operating Temperature=125°C, Max Power Dissipation=250mW, Min Operating Temperature=-55°C, Package Quantity=5000, Power=0.2W, Power Rating=200mW, Temperature Coefficient=200ppm/°C, Tolerance=1%, Case/Package=0603, Composition="Thick Film,Low-Ohm-Resistor", Contact Plating=Tin, Depth=0.8mm, Features="Automotive AEC-Q200", Height=0.45mm, Length=1.6mm, Military Standard=Not, Mount="Surface Mount", Number of Pins=2, Number of Terminations=2, Packaging="Tape and Reel", Radiation Hardening=No, REACH SVHC="No SVHC", Resistance=5.6, Termination=SMD/SMT, Weight=7.1E-05oz, Width=0.8mm
R6 R7: library part CMP-04725-1, "PANASONIC   ERJPA3F9100V   RESISTOR, ERJP, 910 OHM, 0603, 0.25W, 1%", Case Code (Imperial)=0603, Case Code (Metric)=1608, Manufacturer=Panasonic, Manufacturer Part Number=ERJ-PA3F9100V, Max Operating Temperature=155°C, Max Power Dissipation=250mW, Min Operating Temperature=-55°C, Power=0.25W, Temperature Coefficient=100ppm/°C, Tolerance=1%, Voltage Rating=150V, Case/Package=0603, Composition="Thick Film", Depth=0.8mm, Features="Automotive AEC-Q200", Height=0.018inch, Length=0.063inch, Mount="Surface Mount", Number of Terminations=2, Packaging="Cut Tape", Power Rating=250mW, REACH SVHC="No SVHC", Resistance=910, Termination=Solder, Voltage Rating (DC)=150V, Width=0.031inch
R9: library part CMP-02260-2, "RES SMD 33K OHM 1% 1/10W 0402", Manufacturer="Panasonic Electronic Components", Manufacturer Part Number=ERJ-2RKF3302X, Power="0.1W, 1/10W", Tolerance=±1%, AccessRights=2147483647, ComponentType=Resistor, ContentType=Component, ContentTypeGUID=CB3C11C4-E317-11DF-B822-12313F0024A2, Folder=MW_Parts\Components\Resistors\0402\, FolderGUID=FF00D775-EA76-40F5-8F49-C5946BC46B28, ItemGUID=F3BD2F28-1D5D-4F03-9486-E4B48CB21079, ItemHRID=CMP-02260, LifeCycle=Draft, LifeCycleStateGUID=706004B5-C76E-482E-903B-BA0E4FAE086A, ReleaseDate="14/08/2017 09:07:33 PM", Resistance=33k, RevisionId=1
R11: library part CMP-00469-2, "750R 0.1W ±5%", Manufacturer=Yageo, Manufacturer Part Number=RC0603JR-07750RL, Power=0.1W, Tolerance=±5%, Resistance=750R
R15 R20: library part CMP-02533-2, "RES SMD 1M OHM 1% 1/16W 0402", Manufacturer=Yageo, Manufacturer Part Number=RC0402FR-071ML, Power="0.063W, 1/16W", Tolerance=±1%, AccessRights=2147483647, ComponentType=Resistor, ContentType=Component, ContentTypeGUID=CB3C11C4-E317-11DF-B822-12313F0024A2, Folder=MW_Parts\Components\Resistors\0402\, FolderGUID=FF00D775-EA76-40F5-8F49-C5946BC46B28, ItemGUID=38EDC7A2-DA10-4150-BC5B-F9F8654795AC, ItemHRID=CMP-02533, LifeCycle=Draft, LifeCycleStateGUID=706004B5-C76E-482E-903B-BA0E4FAE086A, ReleaseDate="14/08/2017 09:06:44 PM", Resistance=1M, RevisionId=1
R16: library part CMP-02318-2, "RES SMD 402K OHM 1% 1/10W 0402", Manufacturer="Panasonic Electronic Components", Manufacturer Part Number=ERJ-2RKF4023X, Power="0.1W, 1/10W", Tolerance=±1%, AccessRights=2147483647, ComponentType=Resistor, ContentType=Component, ContentTypeGUID=CB3C11C4-E317-11DF-B822-12313F0024A2, Folder=MW_Parts\Components\Resistors\0402\, FolderGUID=FF00D775-EA76-40F5-8F49-C5946BC46B28, ItemGUID=F255A748-FBF8-468D-925E-B2091673D62C, ItemHRID=CMP-02318, LifeCycle=Draft, LifeCycleStateGUID=706004B5-C76E-482E-903B-BA0E4FAE086A, ReleaseDate="14/08/2017 09:07:59 PM", Resistance=402k, RevisionId=1
R17 R18: library part CMP-00849-1, "0R 0.1W", Manufacturer=Yageo, Manufacturer Part Number=RC0603JR-070RL, Power=0.1W, Resistance=0R
R19: library part CMP-04254-1, "NTC Thermistor 100k 0402 (1005 Metric)", Manufacturer="Panasonic Electronic Components", Power=66mW, Resistance=100k, Tolerance=±3%, Manufacturer Part Number=ERT-J0ER104HM
R21 R23 R32 R33 R56: library part CMP-02536-2, "RES SMD 3.6M OHM 1% 1/16W 0402", Manufacturer=Yageo, Manufacturer Part Number=RC0402FR-073M6L, Power="0.063W, 1/16W", Tolerance=±1%, AccessRights=2147483647, ComponentType=Resistor, ContentType=Component, ContentTypeGUID=CB3C11C4-E317-11DF-B822-12313F0024A2, Folder=MW_Parts\Components\Resistors\0402\, FolderGUID=FF00D775-EA76-40F5-8F49-C5946BC46B28, ItemGUID=8734D7F0-F7B6-4093-81FA-6769CE3BA6FB, ItemHRID=CMP-02536, LifeCycle=Draft, LifeCycleStateGUID=706004B5-C76E-482E-903B-BA0E4FAE086A, ReleaseDate="14/08/2017 09:06:44 PM", Resistance=3.6M, RevisionId=1
R22: library part CMP-02623-2, "RES SMD 1.74M OHM 1% 1/16W 0402", Manufacturer=Yageo, Manufacturer Part Number=RC0402FR-071M74L, Power="0.063W, 1/16W", Tolerance=±1%, AccessRights=2147483647, ComponentType=Resistor, ContentType=Component, ContentTypeGUID=CB3C11C4-E317-11DF-B822-12313F0024A2, Folder=MW_Parts\Components\Resistors\0402\, FolderGUID=FF00D775-EA76-40F5-8F49-C5946BC46B28, ItemGUID=A7717856-515F-430C-BA48-75DCCEC390A2, ItemHRID=CMP-02623, LifeCycle=Draft, LifeCycleStateGUID=706004B5-C76E-482E-903B-BA0E4FAE086A, ReleaseDate="14/08/2017 09:07:23 PM", Resistance=1.74M, RevisionId=1
R24: library part CMP-02634-2, "RES SMD 1.3M OHM 1% 1/16W 0402", Manufacturer=Yageo, Manufacturer Part Number=RC0402FR-071M3L, Power="0.063W, 1/16W", Tolerance=±1%, AccessRights=2147483647, ComponentType=Resistor, ContentType=Component, ContentTypeGUID=CB3C11C4-E317-11DF-B822-12313F0024A2, Folder=MW_Parts\Components\Resistors\0402\, FolderGUID=FF00D775-EA76-40F5-8F49-C5946BC46B28, ItemGUID=9B0B9386-4B31-4CD2-8CC3-C820CA8E7942, ItemHRID=CMP-02634, LifeCycle=Draft, LifeCycleStateGUID=706004B5-C76E-482E-903B-BA0E4FAE086A, ReleaseDate="14/08/2017 09:07:26 PM", Resistance=1.3M, RevisionId=1
R25: library part CMP-02256-2, "RES SMD 32.4K OHM 1% 1/10W 0402", Manufacturer="Panasonic Electronic Components", Manufacturer Part Number=ERJ-2RKF3242X, Power="0.1W, 1/10W", Tolerance=±1%, AccessRights=2147483647, ComponentType=Resistor, ContentType=Component, ContentTypeGUID=CB3C11C4-E317-11DF-B822-12313F0024A2, Folder=MW_Parts\Components\Resistors\0402\, FolderGUID=FF00D775-EA76-40F5-8F49-C5946BC46B28, ItemGUID=1331F2ED-5F25-44A8-BD1D-115D098793A9, ItemHRID=CMP-02256, LifeCycle=Draft, LifeCycleStateGUID=706004B5-C76E-482E-903B-BA0E4FAE086A, ReleaseDate="14/08/2017 09:07:33 PM", Resistance=32.4k, RevisionId=1
R26: library part CMP-02144-2, "RES SMD 20K OHM 1% 1/10W 0402", Manufacturer="Panasonic Electronic Components", Manufacturer Part Number=ERJ-2RKF2002X, Power="0.1W, 1/10W", Tolerance=±1%, AccessRights=2147483647, ComponentType=Resistor, ContentType=Component, ContentTypeGUID=CB3C11C4-E317-11DF-B822-12313F0024A2, Folder=MW_Parts\Components\Resistors\0402\, FolderGUID=FF00D775-EA76-40F5-8F49-C5946BC46B28, ItemGUID=245E70CF-89B0-4834-9BD7-29B1B6060D32, ItemHRID=CMP-02144, LifeCycle=Draft, LifeCycleStateGUID=706004B5-C76E-482E-903B-BA0E4FAE086A, ReleaseDate="14/08/2017 09:06:48 PM", Resistance=20k, RevisionId=1
R30 R31 R36 R37: library part CMP-02312-2, "RES SMD 4.7K OHM 1% 1/10W 0402", Manufacturer="Panasonic Electronic Components", Manufacturer Part Number=ERJ-2RKF4701X, Power="0.1W, 1/10W", Tolerance=±1%, AccessRights=2147483647, ComponentType=Resistor, ContentType=Component, ContentTypeGUID=CB3C11C4-E317-11DF-B822-12313F0024A2, Folder=MW_Parts\Components\Resistors\0402\, FolderGUID=FF00D775-EA76-40F5-8F49-C5946BC46B28, ItemGUID=9F0FCEB1-3B7A-4529-8696-D5A32A366F0C, ItemHRID=CMP-02312, LifeCycle=Draft, LifeCycleStateGUID=706004B5-C76E-482E-903B-BA0E4FAE086A, ReleaseDate="14/08/2017 09:07:58 PM", Resistance=4.7k, RevisionId=1
R42 R59 R60: library part CMP-01396-1, "RES SMD 4.7M ±1% 0.1W, 1/10W 0603", Manufacturer=Yageo, Manufacturer Part Number=RC0603FR-074M7L, Power="0.1W, 1/10W", Tolerance=±1%, Resistance=4.7M
R43 R44 R45: library part CMP-02534-2, "RES SMD 3.3M OHM 1% 1/16W 0402", Manufacturer=Yageo, Manufacturer Part Number=RC0402FR-073M3L, Power="0.063W, 1/16W", Tolerance=±1%, AccessRights=2147483647, ComponentType=Resistor, ContentType=Component, ContentTypeGUID=CB3C11C4-E317-11DF-B822-12313F0024A2, Folder=MW_Parts\Components\Resistors\0402\, FolderGUID=FF00D775-EA76-40F5-8F49-C5946BC46B28, ItemGUID=2750FAA4-7402-4D1C-AED3-E6D1F33D113D, ItemHRID=CMP-02534, LifeCycle=Draft, LifeCycleStateGUID=706004B5-C76E-482E-903B-BA0E4FAE086A, ReleaseDate="14/08/2017 09:06:44 PM", Resistance=3.3M, RevisionId=1
R46: library part CMP-02569-2, "RES SMD 5.1M OHM 1% 1/16W 0402", Manufacturer=Yageo, Manufacturer Part Number=RC0402FR-075M1L, Power="0.063W, 1/16W", Tolerance=±1%, AccessRights=2147483647, ComponentType=Resistor, ContentType=Component, ContentTypeGUID=CB3C11C4-E317-11DF-B822-12313F0024A2, Folder=MW_Parts\Components\Resistors\0402\, FolderGUID=FF00D775-EA76-40F5-8F49-C5946BC46B28, ItemGUID=2609F183-B3C3-48C1-9C12-A9D8EC9D3679, ItemHRID=CMP-02569, LifeCycle=Draft, LifeCycleStateGUID=706004B5-C76E-482E-903B-BA0E4FAE086A, ReleaseDate="14/08/2017 09:07:06 PM", Resistance=5.1M, RevisionId=1
R54 R58: library part CMP-00047-2, "RES SMD 1M OHM 1% 1/10W 0402", Manufacturer="Panasonic Electronic Components", Manufacturer Part Number=ERJ-2RKF1004X, Power="0.1W, 1/10W", Tolerance=±1%, AccessRights=2147483647, ComponentType=Resistor, ContentType=Component, ContentTypeGUID=CB3C11C4-E317-11DF-B822-12313F0024A2, Folder=MW_Parts\Components\Resistors\0402\, FolderGUID=FF00D775-EA76-40F5-8F49-C5946BC46B28, ItemGUID=F016CD9C-1E2D-405B-B396-FDCECECA31E2, ItemHRID=CMP-00047, LifeCycle=Draft, LifeCycleStateGUID=706004B5-C76E-482E-903B-BA0E4FAE086A, ReleaseDate="14/08/2017 09:07:29 PM", Resistance=1M, RevisionId=1
R66: library part CMP-03766-1, "RES SMD 27.4KOHM 0.1% 1/16W 0402 ±10ppm/°C", Manufacturer="TE Connectivity Passive Product", Manufacturer Part Number=RN73C1E27K4BTD, Power="0.063W, 1/16W", Temp. Coefficent=±10ppm/°C, Tolerance=±0.1%, Resistance=27.4k
R67: library part CMP-001-0000-1, Resistance=∞
SB1: library part CMP-ROOT-0027-4, "Open Solder Bridge (50mil size)", AccessRights=2147483647, ContentType=Component, ContentTypeGUID=CB3C11C4-E317-11DF-B822-12313F0024A2, Folder="MW_Parts\Components\PCB Artwork (Net Ties, Logos, Fiducials, Easter Eggs, Etc.)\Solder Bridges\", FolderGUID=7CD9CA14-3C45-4852-9169-40DC6F0FDA37, ItemGUID=DF0DBBC9-733C-4C5C-ADE9-5EBA3318418A, ItemHRID=CMP-ROOT-0027, LifeCycle=Draft, LifeCycleStateGUID=706004B5-C76E-482E-903B-BA0E4FAE086A, ReleaseDate="23/08/2017 05:08:00 PM", RevisionId=1
SB2: library part CMP-ROOT-0028-5, "Closed Solder Bridge (50mil size)", AccessRights=2147483647, ContentType=Component, ContentTypeGUID=CB3C11C4-E317-11DF-B822-12313F0024A2, Folder="MW_Parts\Components\PCB Artwork (Net Ties, Logos, Fiducials, Easter Eggs, Etc.)\Solder Bridges\", FolderGUID=7CD9CA14-3C45-4852-9169-40DC6F0FDA37, ItemGUID=73A36697-90B2-4800-A05E-B38AF660EF56, ItemHRID=CMP-ROOT-0028, LifeCycle=Draft, LifeCycleStateGUID=706004B5-C76E-482E-903B-BA0E4FAE086A, ReleaseDate="23/08/2017 05:08:00 PM", RevisionId=1
TP1 TP2 TP4 TP5 TP6 TP19 TP20 TP21: library part CMP-ROOT-0023-4, "Test Point - 16mil/32mil via", AccessRights=2147483647, AncestorItemRevisionGUID=75AF5AD0-AC2E-461C-A712-52160B1E82C4, ContentType=Component, ContentTypeGUID=CB3C11C4-E317-11DF-B822-12313F0024A2, Folder="MW_Parts\Components\PCB Artwork (Logos, Fiducials, Easter Eggs, Etc.)\Test Points\", FolderGUID=826AF0AF-D3B5-4CC2-AA9D-34285EE49F0B, ItemGUID=542E3FDF-05CE-4787-ACB6-AECCF613BD0E, ItemHRID=CMP-ROOT-0023, LifeCycle=Draft, LifeCycleStateGUID=706004B5-C76E-482E-903B-BA0E4FAE086A, ReleaseDate="23/08/2017 03:25:20 AM", RevisionId=3
TP3 TP9 TP10: library part CMP-ROOT-0000-6, "Test Point - 1mm pad", AccessRights=2147483647, AncestorItemRevisionGUID=4BCAE504-19DF-475C-9848-C1A31AEBDD4F, ContentType=Component, ContentTypeGUID=CB3C11C4-E317-11DF-B822-12313F0024A2, Folder="MW_Parts\Components\PCB Artwork (Logos, Fiducials, Easter Eggs, Etc.)\Test Points\", FolderGUID=826AF0AF-D3B5-4CC2-AA9D-34285EE49F0B, ItemGUID=CE638ACE-1002-4898-A02D-C9FAD70242BD, ItemHRID=CMP-ROOT-0000, LifeCycle=Draft, LifeCycleStateGUID=706004B5-C76E-482E-903B-BA0E4FAE086A, ReleaseDate="23/08/2017 03:25:20 AM", RevisionId=5
U1: library part CMP-011-0000-4, "Ansem ARTIC", Manufacturer=Ansem, Manufacturer Part Number=ARTIC
U2: library part CMP-ROOT-0041-4, "MOD BLE 4.2 NORDIC NRF52832 SOC", Manufacturer="Rigado, Inc.", Manufacturer Part Number=BMD-350-A-R
U3: library part CMP-04726-7, "Transmit/Receive Module, 2.5V to 4.5V, ISM Band, 27.5dBm, 430MHz to 450MHz", Manufacturer=Qorvo, Manufacturer Part Number=RFFM6404TR13
U4: library part CMP-04107-6, "2 A, 1 MHz / 2 MHz Synchronous Step-Up DC/DC Converter, 8-pin SON (DCB-8), -40 to 85 degC, Pb-Free, Tape and Reel", Manufacturer="Linear Technology", DatasheetVersion="Rev. B", Manufacturer Part Number=LTC3539EDCB#TRPBF, PackageDescription="8-Pin Plastic DFN, Body 2 x 3 mm, Pitch 0.45 mm"
U5: library part CMP-01768-6, "2 A Wide Input Voltage Synchronous Buck-Boost DC/DC Converter, 14-pin SON (DE-14), -40 to 85 degC, Pb-Free, Tape and Reel", Manufacturer="Linear Technology", Manufacturer Part Number=LTC3533EDE#TRPBF
U6: library part CMP-004-0002-2, "Comparator General Purpose Push-Pull 6-X2SON (1x1)", Manufacturer="Texas Instruments", Manufacturer Part Number=TLV3691IDPFR
U7: library part CMP-04111-3, "Low Power Hall Effect Switch, 2.5 to 5.5 V, -40 to 85 degC, 3-Pin SC59, RoHS, Tape and Reel", Manufacturer="Diodes Incorporated", Category=Sensors,Transducers, Manufacturer Part Number=AH182-WG-7
U8: library part CMP-04109-2, "Buck Switching Regulator IC Positive Programmable 0.8V 1 Output 50mA, 500mA 9-WFBGA, WLCSP", Manufacturer=ADP5301ACBZ-1-R7, Manufacturer Part Number=ADP5301ACBZ-1-R7
U11: library part CMP-006-0260-4, "Pressure Sensor 3.77 PSI ~ 18.27 PSI (26 kPa ~ 126 kPa) Absolute 24 b LGA", Manufacturer=STMicroelectronics, Manufacturer Part Number=LPS33HWTR
U12: library part CMP-006-0261-2, "Real Time Clock (RTC) IC 16-VFQFN Exposed Pad", Manufacturer="Ambiq Micro, Inc.", Manufacturer Part Number=AM0805AQ
U13: library part CMP-04123-2, "Accelerometer and Magnetometer Sensor I²C, SPI Output", Manufacturer=STMicroelectronics, Manufacturer Part Number=ISM303DACTR
U15: library part CMP-04731-1, "Ultra Low Noise, 150mA Linear Regulator for RF/Analog Circuits Requires No Bypass Capacitor, 6-pin LLP, Pb-Free", Dropout Voltage=80mV, Manufacturer="Texas Instruments", Max Input Voltage=5.5V, Max Operating Temperature=125°C, Max Output Current=150mA, Min Input Voltage=2.5V, Min Operating Temperature=-40°C, Output Voltage=2.7V, Output Voltage Accuracy=2%, Package Quantity=1000, Quiescent Current=50uA, Accuracy=2%, Lead Free="Lead Free", Manufacturer Part Number=LP5900SD-2.7/NOPB, Mount="Surface Mount", Number of Outputs=1, Number of Pins=6, Number of Regulators=1, Output Current=150mA, Output Type=Fixed, Packaging="Tape and Reel", Polarity=Positive, Radiation Hardening=No
X1: library part CMP-04119-1, "32.768kHz ±10ppm Crystal 12.5pF 90 kOhms 2-SMD, No Lead", Manufacturer="Abracon LLC", Manufacturer Part Number=ABS06-32.768KHZ-1-T
X2: library part CMP-04255-1, "26MHz TCXO Clipped Sine Wave Oscillator 1.8V 6-SMD, No Lead", Manufacturer="Kyocera International Inc. Electronic Components", Manufacturer Part Number=KT2520K26000AAW18TAS
X3: library part CMP-04600-1, "32.768kHz ±10ppm Crystal 12.5pF 70 kOhms 2-SMD, No Lead", Manufacturer="ECS Inc.", Manufacturer Part Number=ECS-.327-12.5-12R-C-TR

## Via types
v1: diameter 0.457, hole 0.203, Top Layer to Bottom Layer, tented both sides, 314 vias
v2: diameter 0.457, hole 0.203, Top Layer to Bottom Layer, 33 vias
v3: diameter 0.559, hole 0.305, Top Layer to Bottom Layer, 25 vias
v4: diameter 0.5, hole 0.2, Top Layer to Bottom Layer, 3 vias
v5: diameter 2.286, hole 1.778, Top Layer to Bottom Layer, 2 vias
v6: diameter 2.5, hole 1.778, Top Layer to Bottom Layer, 1 vias